# Altium PCB JlinkV9-SMTV2.PcbDoc
Units mil, origin at the board's own origin, x right, y up, seen from the top; angles counter-clockwise.
Board outline 790.71 x 1440.71 mil, 2 copper layers (Top Layer, Bottom Layer); 44 components, 65 nets, 201 pads, 75 vias.
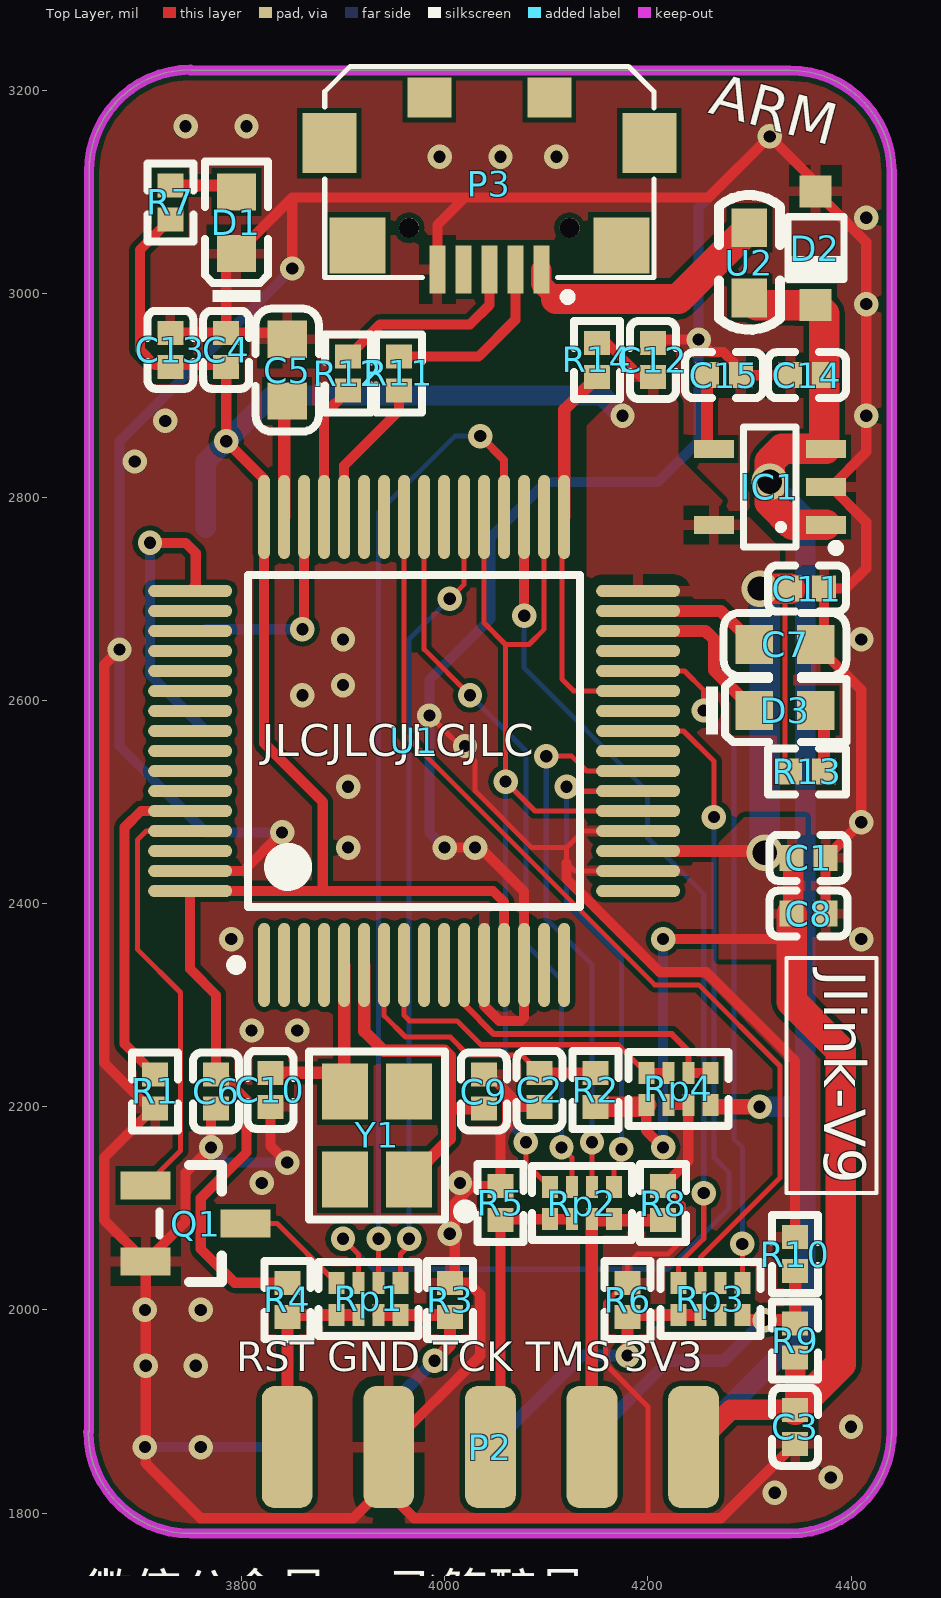
[diagram p0: Top Layer view]
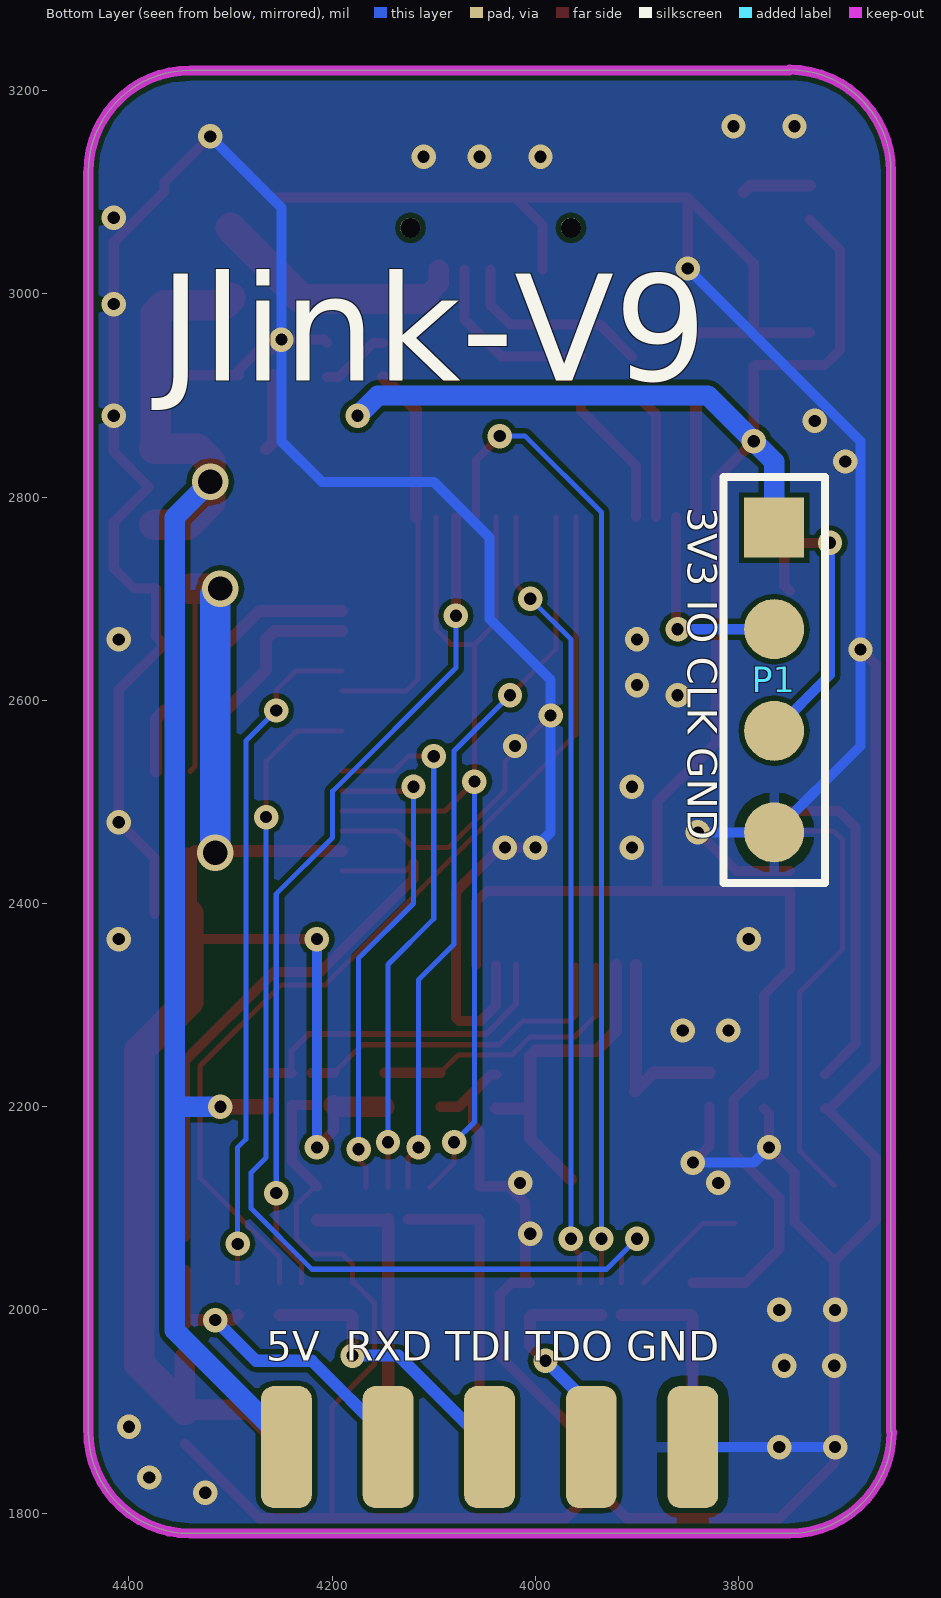
[diagram p1: Bottom Layer view, seen from below]

## Layer stack, top to bottom
Top Solder: solder mask 0.4, Solder Resist, Dk 3.5
Top Layer: signal copper 1.4
Dielectric 1: dielectric 12.6, FR-4, Dk 4.8
Bottom Layer: signal copper 1.4
Bottom Solder: solder mask 0.4, Solder Resist, Dk 3.5

## Board outline
3650,1880 3650,3120 cw(c3750,3120.71) 3750,3220.71 3750,3220 4339.29,3220 cw(c4340,3120) 4440,3120 4440,1880.71 cw(c4340,1880) 4340,1780 3750,1780 cw(c3749.29,1880)

## Design rules (kind name [scope] priority, off if disabled: settings)
Clearance [All] p1: gap=5
PolygonConnect [InPadClass('All Pads')] p1: connectstyle=Relief reliefconductorwidth=10 reliefentries=4 polygonreliefangle="90 Angle" airgapwidth=10
RoutingVias [All] p1: holewidth=12 width=24 viastyle="Through Hole" minholewidth=12 minwidth=24 maxholewidth=24 maxwidth=36
SolderMaskExpansion [All] p1: expansion=4
Width [All] p1: maxlimit=100 minlimit=5 preferedwidth=8
30 further rules are at their usual default settings.

## Components (designator, comment, footprint, x,y, rotation, side; value= is the part's Value field where it differs from the comment)
C1 "100nF (104) 10% 16V" 0402_C 4358.27,2445 r0 top
C2 "100nF (104) 10% 16V" 0402_C 4093.5,2216.69 r90 top
C3 "100nF (104) 10% 16V" 0402_C 4345,1885 r90 top
C4 "100nF (104) 10% 16V" 0402_C 3785,2945 r90 top
C5 "2.2uF (225) 10% 16V" 0603_C#1 3845,2925 r90 top
C6 "100nF (104) 10% 16V" 0402_C 3775,2215 r90 top
C7 "2.2uF (225) 10% 16V" 0603_C#1 4335,2655 r180 top
C8 "100nF (104) 10% 16V" 0402_C 4358.27,2390 r180 top
C9 "20pF (200) 5% 50V" 0402_C 4038.5,2214.96 r270 top
C10 "20pF (200) 5% 50V" 0402_C 3828.5,2216.69 r90 top
C11 "100nF (104) 10% 16V" 0402_C 4356.73,2710 r180 top
C12 "100nF (104) 10% 16V" 0402_C 4205,2935 r270 top
C13 "100nF (104) 10% 16V" 0402_C 3730,2945 r270 top
C14 "10uF (106) 20% 6.3V" 0402_C 4356.73,2920 r0 top
C15 "103" 0402_C 4275,2920 r180 top
D1 "红灯 0603" 0603_LED_S1 3795,3070 r90 top
D2 "1N5819" SOD-323 4365,3045 r90 top
D3 "蓝灯 0603" 0603_LED_S1 4335,2590 r0 top
IC1 "XC6204B332MR" SOT23-5L 4320,2810 r90 top
P1 "Header 4" HDR1X4_SMD 3765,2770 r90 bottom
P2 "Header 5X2" HDR2X5_2.54_180H 4245,1865 r270 top
P3 "USB-5P" MICRO_USB 4044,3024 r180 top
Q1 "SS8050 Y1" SOT-23(SOT-23-3) 3755,2085 r180 top
R1 "10KΩ (1002) ±1%" 0402_R 3715,2215 r270 top
R2 "10KΩ (1002) ±1%" 0402_R 4148.5,2216.69 r270 top
R3 "220KΩ (2203) ±1%" 0402_R 4005.31,2010 r270 top
R4 "10KΩ (1002) ±1%" 0402_R 3845.31,2010 r270 top
R5 "10KΩ (1002) ±1%" 0402_R 4055,2105 r270 top
R6 "10KΩ (1002) ±1%" 0402_R 4180,2010 r270 top
R7 "1KΩ (1001) ±1%" 0402_R 3730,3090 r270 top
R8 "10KΩ (1002) ±1%" 0402_R 4215,2105 r90 top
R9 "10KΩ (1002) ±1%" 0402_R 4345,1970 r90 top
R10 "10KΩ (1002) ±1%" 0402_R 4345,2055 r90 top
R11 "22Ω (22R0) ±1%" 0402_R 3955,2921.73 r270 top
R12 "22Ω (22R0) ±1%" 0402_R 3905,2921.73 r270 top
R13 "220Ω (2200) ±1%" 0402_R 4356.73,2530 r180 top
R14 "10KΩ (1002) ±1%" 0402_R 4150,2935 r270 top
Rp1 "33Ω (330) ±5%" 0402_Rx4 3925.16,2010.75 r180 top
Rp2 "33Ω (330) ±5%" 0402_Rx4 4135,2105 r180 top
Rp3 "33Ω (330) ±5%" 0402_Rx4 4261.5,2010.75 r0 top
Rp4 "10KΩ (103) ±5%" 0402_Rx4 4230,2217.44 r0 top
U1 "STM32F205RET6" STM-LQFP64_M 3970,2560 r90 top
U2 "FUSE" 0603_C#2 4300,2996 r90 top
Y1 "12MHZ 20PF 10PPM" SMD-3225_4P 3933.5,2171.69 r90 top

## Footprints (in the part's own frame and the unit in brackets; to place one, negate y for a bottom-side part, rotate by r counter-clockwise, add the part's x,y. Pads: shape width x height; smd on the part's side, far side on the other; paste and mask are expansions set on the pad)
0402_C [mm]
  rect 0.6x0.65 smd mask+0.051: 1(-0.425,0) 2(0.425,0)
  silkscreen extent -0.97,-0.58 0.97,0.58, body extent -0.48,-0.3 0.52,0.3, height 0.2
0402_R [mm]
  rect 0.6x0.65 smd mask+0.051: 1(-0.425,0) 2(0.425,0)
  silkscreen extent -0.97,-0.58 0.97,0.58, body extent -0.57,-0.27 0.58,0.28, height 0.41
0402_Rx4 [mm]
  rect 0.4x0.55 smd mask+0.051: 1(-0.8,-0.4) 4(0.8,-0.4) 5(0.8,0.4) 8(-0.8,0.4)
  rect 0.3x0.55 smd mask+0.051: 2(-0.25,-0.4) 3(0.25,-0.4) 6(0.25,0.4) 7(-0.25,0.4)
  silkscreen extent -1.25,-0.93 1.25,0.92, body extent -1,-0.5 1,0.5, height 0.45
0603_C#1 [mm]
  rect 0.93x0.98 smd: 1(-0.77,0) 2(0.77,0)
  silkscreen extent -1.53,-0.79 1.54,0.79, body extent -0.8,-0.4 0.8,0.4, height 0.3
0603_C#2 [mm]
  rect 0.965x0.889 smd: 1(0,0) 2(1.753,0)
  silkscreen extent -0.79,-0.76 2.57,0.76, body extent 0.1,-0.4 1.7,0.4, height 0.3
0603_LED_S1 [mm]
  rect 0.93x0.98 smd: A(0.77,0) K(-0.77,0)
  silkscreen extent -1.98,-0.79 1.54,0.79, body extent -0.8,-0.4 0.8,0.4, height 0.6
HDR1X4_SMD [mm]
  rect 1.5x1.5 smd: 1(0,0)
  round 1.5 smd: 2(-2.54,0) 3(-5.08,0) 4(-7.62,0)
  silkscreen extent -8.89,-1.27 1.27,1.27
HDR2X5_2.54_180H [mil]
  rrect50% 120x50 smd: 1(0,0) 3(0,-100) 5(0,-200) 7(0,-300) 9(0,-400)
  rrect50% 120x50 smd far side: 2(0,0) 4(0,-100) 6(0,-200) 8(0,-300) 10(0,-400)
  body extent -68,-450 385,50, height 100
MICRO_USB [mm]
  rect 1.35x1.5 smd: 0(-4,-3.16) 0(4,-3.16)
  rect 1.4x1.4 smd: 0(-3.3,-0.6) 0(3.3,-0.6)
  round 0.5 hole 0.5 paste+0 mask+0: 0(-2.007,-1.041) 0(2.007,-1.041)
  rect 1.1x1 smd: 0(-1.5,-4.3) 0(1.5,-4.3)
  rect 0.4x1.2 smd: 1(-1.3,0) 2(-0.65,0) 3(0,0) 4(0.65,0) 5(1.3,0)
  silkscreen extent -4.11,-5.08 4.11,0.79, body extent -3.9,-4.72 3.9,0.28, height 2.83
SMD-3225_4P [mm]
  rect 1.4x1.15 smd: 1(-1.1,-0.8) 2(1.1,-0.8) 3(1.1,0.8) 4(-1.1,0.8)
  silkscreen extent -2.1,-2.35 2.1,1.7, body extent -1.6,-1.25 1.6,1.25, height 0.61
SOD-323 [mm]
  rect 0.8x0.8 smd: 1(1.422,0) 2(-1.422,0)
  silkscreen extent -0.79,-0.74 0.79,0.69, body extent -1.35,-0.62 1.35,0.63, height 1.1
SOT23-5L [mm]
  rect 0.45x1 smd: 1(-0.95,-1.4) 2(0,-1.4) 3(0.95,-1.4) 4(0.95,1.4) 5(-0.95,1.4)
  silkscreen extent -1.6,-1.73 1.5,0.66, body extent -1.5,-1.4 1.5,1.4, height 1.15
SOT-23(SOT-23-3) [mm]
  rect 1.25x0.7 smd: 1(1.25,-0.95) 2(1.25,0.95) 3(-1.25,0)
  silkscreen extent -0.65,-1.46 0.9,1.46, body extent -1.5,-1.5 1.5,1.5, height 1.3
STM-LQFP64_M [mm]
  oval 2.1x0.3 smd: 1(-5.6,3.75) 2(-5.6,3.25) 3(-5.6,2.75) 4(-5.6,2.25) 5(-5.6,1.75) 6(-5.6,1.25) 7(-5.6,0.75) 8(-5.6,0.25) 9(-5.6,-0.25) 10(-5.6,-0.75) 11(-5.6,-1.25) 12(-5.6,-1.75) 13(-5.6,-2.25) 14(-5.6,-2.75) 15(-5.6,-3.25) 16(-5.6,-3.75) 33(5.6,-3.75) 34(5.6,-3.25) 35(5.6,-2.75) 36(5.6,-2.25) 37(5.6,-1.75) 38(5.6,-1.25) 39(5.6,-0.75) 40(5.6,-0.25) 41(5.6,0.25) 42(5.6,0.75) 43(5.6,1.25) 44(5.6,1.75) 45(5.6,2.25) 46(5.6,2.75) 47(5.6,3.25) 48(5.6,3.75)
  oval 0.3x2.1 smd: 17(-3.75,-5.6) 18(-3.25,-5.6) 19(-2.75,-5.6) 20(-2.25,-5.6) 21(-1.75,-5.6) 22(-1.25,-5.6) 23(-0.75,-5.6) 24(-0.25,-5.6) 25(0.25,-5.6) 26(0.75,-5.6) 27(1.25,-5.6) 28(1.75,-5.6) 29(2.25,-5.6) 30(2.75,-5.6) 31(3.25,-5.6) 32(3.75,-5.6) 49(3.75,5.6) 50(3.25,5.6) 51(2.75,5.6) 52(2.25,5.6) 53(1.75,5.6) 54(1.25,5.6) 55(0.75,5.6) 56(0.25,5.6) 57(-0.25,5.6) 58(-0.75,5.6) 59(-1.25,5.6) 60(-1.75,5.6) 61(-2.25,5.6) 62(-2.75,5.6) 63(-3.25,5.6) 64(-3.75,5.6)
  silkscreen extent -5.72,-4.15 4.15,4.57, body extent -5,-5 5,5, height 1.6

## Part data
C1 C2 C3 C4 C6 C8 C11 C12 C13: library part "0402 100nF (104) 10% 16V", "贴片电容"
C5 C7: library part "0603 2.2uF (225) 10% 16V", "贴片电容"
C9 C10: library part "0402 20pF (200) 5% 50V", "贴片电容"
C14: library part "0402 10uF (106) 20% 6.3V", "贴片电容"
C15: library part "0402 10nF (103) 10% 50V", "贴片电容"
D1: library part "0603 红灯", "发光二极管"
D2: library part D
D3: library part "0603 蓝灯", "发光二极管"
IC1: library part "LDO XC6204", "LDO"
P1: "Header, 4-Pin"
P2: "Header, 5-Pin, Dual row"
P3: "微型USB母座"
Q1: library part "SOT-23 SS8050 Y1", "三极管"
R1 R2 R4 R5 R6 R8 R9 R10 R14: library part "0402 10KΩ (1002) 1%", "贴片电阻"
R3: library part "0402 220KΩ (2203) 1%", "贴片电阻"
R7: library part "0402 1KΩ (1001) 1%", "贴片电阻"
R11 R12: library part "0402 22Ω (22R0) 1%", "贴片电阻"
R13: library part "0402 220Ω (2200) 1%", "贴片电阻"
Rp1 Rp2 Rp3: library part "0402*4 33Ω (330) 5%", "贴片排阻"
Rp4: library part "0402*4 10KΩ (103) 5%", "贴片排阻"
U1: library part STM32F103RET6
Y1: library part "SMD-3225_4P  12MHZ 20PF 10PPM", "贴片晶振"

## Via types
v1: diameter 24, hole 12, Top Layer to Bottom Layer, 72 vias
v2: diameter 36, hole 24, Top Layer to Bottom Layer, 3 vias

## Nets (pads, with @x,y where several pads share a name; then routed paths per layer and width w, separated by ;. In a path a pad name is that pad's centre, name@x,y a point inside that pad or via, vN(x,y) a via of type N, cw(c..) or ccw(c..) an arc to the next point about the centre after c; other vN are vias at no path point)
3V3: C1.1 C3.2 C4.1 C6.2 C8.2 C11.2 C12.2 C13.2 IC1.5 P1.1 P2.1 R2.2 R4.1 R7.2 R9.1 R13.2 R14.1 Rp4.1 U1.13 U1.19 U1.32 U1.48 U1.64 | length 4031.2
  Top Layer w5: R13.2 4335,2535 4335,2705 C11.2
  Top Layer w10: R7.2 3700,3043.27 3700,2945 3715,2930 3783.27,2930 C4.1 v1(3785,2855) 3822.36,2817.64 U1.48 3822.36,2557.64 3880,2500 3880,2412.36 ; R4.1 3793.27,2026.73 3760,2060 3760,2110 3805,2155 3805,2207.02 3780.28,2231.73 C6.2 3775,2310 3749.53,2335.47 U1.64 3880,2412.36 ; U1.13 4058.58,2401.42 4047.64,2412.36 3880,2412.36 ; R14.1 4159.84,2951.73 4193.3,2918.27 C12.2 ; Rp4.1 4198.5,2176.5 v1(4215,2160) ; v1(4215,2365) 4336.54,2365 4341.54,2360
  Top Layer w12: U1.19 v2@4315,2451.73 ; C1.1@4334.8,2451.73 C1.1
  Top Layer w20: R2.2 4196.77,2199.96 Rp4.1 ; P2.1 4281.73,1901.73 C3.2 R9.1 ; C8.2 4343.27,2391.73 C1.1@4343.27,2445
  Top Layer w30: v2(4310,2710) C11.2 ; C8.2 4341.54,2360 4341.54,2303.46 4390,2255 4390,1946.73 C3.2
  Bottom Layer w10: v1(4215,2160) v1(4215,2365)
  Bottom Layer w20: P1.1 3765,2835 v1(3785,2855) 3830,2900 4155,2900 v1(4175,2880)
  Bottom Layer w30: v2(4310,2710) 4315,2705 v2(4315,2450)
BOOT0: R1.1 U1.60 | length 326.9
  Top Layer w10: R1.1 3685,2261.73 3685,2475 3701.1,2491.1 U1.60
GND: C1.2 C2.1 C3.1 C4.2 C5.2 C6.1 C7.1 C8.1 C9.1 C10.1 C11.1 C12.1 C13.1 C14.1 C15.1 D1.K D2.1 IC1.2 P1.4 P2.7 P2.10 P3.5 Q1.2 R1.2 R3.1 R5.1 R6.1 R8.2 R10.2 Rp4.2 Rp4.3 U1.12 U1.14 U1.18 U1.20 U1.63 | length 8019
  Top Layer w5: v1(3985,2585) 4030,2540 4030,2510.86 4085.86,2455 4120,2455 ; U1.18 4127.95,2432.05 4120,2440 4120,2455 ; U1.20 4136.42,2471.42 4120,2455 ; 4200,1795 4200,1905 4158.34,1946.66 4158.34,2006.82 4178.25,2026.73 R6.1 4180,2045 4190,2055 4220,2055 4235.3,2070.3 4235.3,2103.19 4216.75,2121.73 R8.2
  Top Layer w10: v1(3680,2650) 3665,2635 3665,2242.98 3709.72,2198.27 R1.2@3713.27,2198.27 ; R1.2 R1.2@3713.27,2198.27 ; C13.1 3838.58,2961.73 C5.2 ; U1.63 3802.05,2432.05 v1(3840,2470) ; C6.1 3770,2193.27 v1(3770,2160) 3745,2135 3745,2086.81 Q1.2 ; C4.2 3785,3029.68 D1.K 3850,3094.69 ; C10.1 3828.5,2161.5 v1(3845,2145) ; v1(3850,3025) 3850,3094.69 ; P3.5 3992.82,3067.82 4020,3095 ; v1(4000,2455) v1(4030,2455) 4035,2455 4078.27,2411.73 U1.14 4078.27,2287.77 4075,2284.5 4053.88,2284.5 4038.9,2299.49 U1.12 ; C9.1 4043.79,2231.69 4061.3,2214.18 ; C2.1 4075.52,2199.96 4061.3,2214.18 ; 4120,2440 4120,2424.4 4211.9,2332.5 4257.5,2332.5 4345,2245 R10.2 ; C12.1 4208.27,2955 v1(4250,2955) 4262.2,2942.8 4274.22,2942.8 4291.73,2925.28 C15.1 C14.1 ; R8.2 4239.84,2146.57 Rp4.3 Rp4.2 ; C3.1 4271.73,1795 4200,1795 3970,1795 3945,1820 P2.7@3945,1830 ; C8.1 C1.2 v1(4410,2480) 4410,2610.32 C7.1 4373.46,2663.15 C11.1 4395,2710 4415,2730 4415,2775.4 4380.4,2810 4415,2844.6 v1(4415,2880) v1(4415,2990) 4415,3051 D2.1 4365,3110 v1(4320,3155) 4260,3095 4020,3095 ; Q1.2 v1(3705.79,1945) 3705.79,1849.21 3760,1795 3910,1795 P2.7@3945,1830 ; Q1.2 3665,2088.39 3665,2150 R1.2@3713.27,2198.27 ; 3850,3094.69 3850.31,3095 4020,3095 ; P2.7@3945,1830 P2.7 4035,1955 4035,2015 4023.27,2026.73 R3.1 4010,2031.42 4010,2105 4026.73,2121.73 R5.1 4055,2175.98 4061.3,2182.28 4061.3,2214.18
  Bottom Layer w10: v1(3705,1865) v1(3760,1865) P2.10 ; v1(3770,2160) 3785,2145 v1(3845,2145) ; v1(3840,2470) P1.4 3680,2555 v1(3680,2650) 3680,2855 v1(3850,3025) ; v1(4000,2455) 3985,2470 v1(3985,2585) 3985,2620 4045,2680 4045,2760 4100,2815 4210,2815 4250,2855 v1(4250,2955) 4250,3085 v1(4320,3155)
  other v1: 4325,1820 4380,1835 4400,1885 3755,1945 3705,2000 3760,2000 4005,2075 3820,2125 4015,2125 3810,2275 3855,2275 3790,2365 4410,2365 3905,2455 3905,2515 4020,2555 3860,2605 3900,2615 3900,2660 4410,2660 3695,2835 3725,2875 4415,3075 3995,3135 4055,3135 4110,3135 3745,3165 3805,3165
NetC5_1: C5.1 U1.47 | length 115.4
  Top Layer w12: U1.47 3842.05,2891.73 C5.1
NetC7_2: C7.2 U1.31 | length 127.9
  Top Layer w12: U1.31 4271.73,2687.95 C7.2
NetC15_2: C15.2 IC1.4 | length 75.3
  Top Layer w12: C15.2 4258.27,2854.02 IC1.4
NetD1_A: D1.A R7.1 | length 67.7
  Top Layer w12: R7.1 3788.58,3106.73 D1.A
NetD3_A: D3.A R13.1 | length 63.4
  Top Layer w12: D3.A 4373.46,2581.85 R13.1
NetP3_1: P3.1 U2.2 | length 254.1
  Top Layer w20: P3.1 4095.18,3009.82 4110,2995
  Top Layer w30: 4110,2995 4230,2995 U2.2
NetP3_2: P3.2 R11.1 | length 179
  Top Layer w10: R11.1 4033.46,2938.46 4069.59,2974.59 P3.2
NetP3_3: P3.3 R12.1 | length 194.9
  Top Layer w10: R12.1 3936.54,2970 4025,2970 4044,2989 P3.3
NetQ1_3: Q1.3 Rp1.4 | length 113.7
  Top Layer w5: Q1.3 3835.16,2085 Rp1.4
NRST: C2.2 R2.1 U1.7 | length 281.3
  Top Layer w5: U1.7 3940.47,2289.53 3961.5,2268.5 4005.59,2268.5 4023.09,2251 4075.93,2251 C2.2
  Top Layer w10: C2.2 R2.1
OSC_IN: C10.2 U1.5 Y1.3 | length 204.8
  Top Layer w12: C10.2 3883.58,2233.43 Y1.3@3901.1,2215.91 ; U1.5 Y1.3@3901.1,2215.91 ; Y1.3 Y1.3@3901.1,2215.91
OSC_OUT: C9.2 U1.6 Y1.1 | length 332.6
  Top Layer w12: U1.6 3920.79,2274.21 3940,2255 4000,2255 4005,2250 4005,2195 ; Y1.1 4005,2168.39 4005,2195 ; C9.2 4008.23,2198.23 4005,2195
PA1: U1.15
PA2: U1.16
PA3: U1.17
PA5: Rp2.4 U1.21 U1.34 U1.37 | length 992.9
  Top Layer w5: U1.37 4038.9,2676.1 4060,2655 ; v1@4066.57,2515 v1@4060,2521.57 ; v1(4080,2165) 4080,2144.25 Rp2.4 ; U1.34 4097.95,2670 4082.95,2655 4060,2655 ; U1.21 4088.9,2491.1 v1(4060,2520) v1@4060,2521.57 ; v1@4060,2521.57 4060,2655
  Bottom Layer w5: v1(4060,2520) 4060,2185 v1(4080,2165)
PA6: Rp2.1 U1.22 | length 502.7
  Top Layer w5: v1(4120,2515) 4120,2522.42 4131.92,2510.5 4190.19,2510.5 U1.22 ; Rp2.1 4166.5,2140 4174,2147.5 v1(4174,2158.1)
  Bottom Layer w5: v1(4120,2515) 4120,2400 4174,2346 v1(4174,2158.1)
PA7: Rp2.2 U1.23 | length 539.4
  Top Layer w5: v1(4100,2545) 4125,2545 4139.53,2530.47 U1.23 ; Rp2.2 4145,2120.91 v1(4145,2165)
  Bottom Layer w5: v1(4100,2545) 4100,2385 4145,2340 v1(4145,2165)
PA8: Rp3.7 U1.41 | length 965
  Top Layer w5: U1.41 3960.16,2566.56 4206.72,2320 4250,2320 4330,2240 4330,2130 4251.65,2051.65 Rp3.7
PA9: U1.42
PA10: U1.43
PA13: P1.2 U1.46 | length 206.2
  Top Layer w10: v1(3860,2670) 3861.73,2671.73 U1.46
  Bottom Layer w10: P1.2 v1(3860,2670)
PA14: P1.3 U1.49 | length 296.6
  Top Layer w10: v1(3710,2755) 3745,2755 3755,2745 3755,2713.11 U1.49
  Bottom Layer w10: v1(3710,2755) 3710,2625 P1.3
PA15: U1.50
PB0: U1.26
PB1: R14.2 U1.27 U1.33 | length 391.5
  Top Layer w5: U1.33 4115.5,2778.33 4115.5,2620.82 4127.11,2609.21 U1.27
  Top Layer w12: U1.33 4117.64,2885.91 R14.2
PB2: Rp3.5 U1.28 | length 671.6
  Top Layer w5: U1.28 4236.1,2628.9 4255,2610 v1(4255,2590) ; Rp3.5 v1(4292.99,2065)
  Bottom Layer w5: v1(4255,2590) 4285,2560 4285,2167.99 4292.99,2160 v1(4292.99,2065)
PB3: U1.55
PB4: U1.56
PB5: U1.57
PB6: U1.58
PB7: U1.59
PB8: Q1.1 U1.61 | length 427.6
  Top Layer w5: Q1.1 3740,2156.61 3740,2312.5 3697.5,2355 3697.5,2462.5 3706.42,2471.42 U1.61
PB9: U1.62
PB10: U1.29
PB11: D3.K U1.30 | length 164.4
  Top Layer w12: U1.30 4256.73,2668.27 4265,2660 4265,2629.69 D3.K
PB14: Rp3.8 U1.35 | length 837.5
  Top Layer w5: Rp3.8 4230,2045 4255,2070 v1(4255,2115)
  Top Layer w10: v1(4078.27,2683.27) U1.35
  Bottom Layer w5: v1(4078.27,2683.27) 4078.27,2631.73 4199.5,2510.5 4199.5,2465 4255,2409.5 v1(4255,2115)
PB15: Rp1.2 U1.36 | length 978.9
  Top Layer w5: Rp1.2 v1(3935,2070)
  Top Layer w8: v1(4035,2860) 4058.58,2836.42 U1.36
  Bottom Layer w5: v1(3935,2070) 3935,2785 4010,2860 v1(4035,2860)
PC0: Rp4.7 Rp4.8 U1.8 | length 333.3
  Top Layer w5: U1.8 3960,2339.37 3960,2290 3965.5,2284.5 4012.22,2284.5 4035.72,2261 4170.69,2261 Rp4.8
  Top Layer w10: Rp4.8 Rp4.7
PC1: U1.9
PC2: U1.10
PC3: Rp4.5 Rp4.6 U1.11 | length 321.9
  Top Layer w6: U1.11 4019.21,2300.79 4048.5,2271.5 4223.5,2271.5 4239.84,2255.16 Rp4.6
  Top Layer w10: Rp4.6 Rp4.5
PC4: U1.24
PC5: Rp1.3 U1.25 | length 1001.6
  Top Layer w5: v1(3900,2070) 3915.31,2054.69 Rp1.3 ; U1.25 4235.16,2569.84 4265,2540 v1(4265,2485)
  Bottom Layer w5: v1(3900,2070) 3930,2040 4220,2040 4280,2100 4280,2135 4265,2150 4265,2484 4266,2485 v1(4265,2485)
PC7: Rp1.1 U1.38 | length 779.9
  Top Layer w5: Rp1.1 3956.65,2055 3965,2063.35 v1(3965,2070) ; v1(4005,2700) 4019.21,2714.21 U1.38
  Bottom Layer w5: v1(3965,2070) 3965,2660 v1(4005,2700)
PC8: U1.39
PC9: Rp2.3 U1.40 | length 719.9
  Top Layer w5: U1.40 3979.84,2650.16 v1(4025,2605) ; v1(4115,2160) 4125.16,2149.84 Rp2.3
  Bottom Layer w5: v1(4025,2605) 4080,2550 4080,2360 4115,2325 v1(4115,2160)
PC10: U1.51
PC11: U1.52
PC12: U1.53
PC13: U1.2
PC14: U1.3
PC15: U1.4
RST: P2.9 R4.2 Rp1.5 Rp1.6 | length 199.1
  Top Layer w12: P2.9 3845.32,1865.32 R4.2 3847.05,1995 Rp1.5 Rp1.6
RXD: P2.4 R9.2 R10.1 Rp3.4 | length 334.6
  Top Layer w12: Rp3.4 4297.99,1990 v1(4315,1990) 4341.73,1990 R9.2 R10.1
  Bottom Layer w12: P2.4 4145,1875 4220,1950 4275,1950 v1(4315,1990)
TCK: P2.5 R5.2 Rp2.5 Rp2.6 | length 298
  Top Layer w10: P2.5 4055,1875 R5.2 4055.98,2089.25 Rp2.5 Rp2.6
TDI: P2.6 R6.2 Rp3.1 Rp3.2 | length 282.9
  Top Layer w12: v1(4180,1955) R6.2 4181.73,1995 Rp3.1 Rp3.2
  Bottom Layer w12: P2.6 4135,1955 v1(4180,1955)
TDO: P2.8 R3.2 Rp1.7 Rp1.8 | length 224.3
  Top Layer w12: Rp1.7 Rp1.8 4003.58,1995 R3.2 4005.32,1965.32 v1(3990,1950)
  Bottom Layer w12: P2.8 3945,1905 v1(3990,1950)
TMS: P2.3 R8.1 Rp2.7 Rp2.8 | length 294.9
  Top Layer w12: P2.3 4144.84,1865.16 Rp2.7 4145.83,2088.27 R8.1
USBDM: R11.2 U1.44 | length 146.9
  Top Layer w10: U1.44 3901.1,2831.1 3955,2885 R11.2
USBDP: R12.2 U1.45 | length 134.3
  Top Layer w10: U1.45 3881.42,2881.42 R12.2
VCC5V: C14.2 D2.2 IC1.1 IC1.3 P2.2 Rp4.4 U2.1 | length 1482.6
  Top Layer w15: Rp4.4 4263.19,2200 v1(4310,2200)
  Top Layer w30: U2.1 4307,2989 D2.2 4373.46,2980.54 C14.2 4373.46,2849.06 IC1.3 4332.4,2847.4 4320,2835 v2(4320,2815) 4320,2795 4342.4,2772.6 IC1.1
  Bottom Layer w20: P2.2 4245,1870 4355,1980 4355,2200 ; v1(4310,2200) 4355,2200 ; v2(4320,2815) 4355,2780 4355,2200
pads on no net: P3.0 P3.4 Rp3.3 Rp3.6 U1.1 U1.54 Y1.2 Y1.4

## Polygon pours and split planes (outlines as drawn)
GND on Top Layer "Top Layer-No Net" (solid, remove dead copper, pour order 10): 3635,3235 4455,3235 4455,1765 3635,1765
3V3 on Top Layer "Top Layer-No Net" (solid, remove dead copper, pour order 8): 4270,2460 4295,2485 4310,2485 4355,2485 4355,2345 4270,2345 4270,2460
3V3 on Top Layer "Top Layer-No Net" (solid, pour order 0): 4175,2933.43 4176.57,2935 4230,2935 4230,2840 4240,2830 4275,2795 4285,2795 4315,2765 4330,2750 4330,2715 4330,2695 4325,2690 4305,2690 4285,2690 4275,2700 4260,2700 4150,2700 4140,2710 4140,2850 4140,2870 4165,2895 4170,2900 4170,2925 4170,2928.43
GND on Bottom Layer "Top Layer-No Net" (solid, remove dead copper, pour order 6): 3630,3235 4455,3235 4455,1765 3630,1765

## Keep-outs
Keep-Out Layer:
  lines w10: 3649.29,1880 ccw(c3749.29,1880) 3750,1780 4340,1780 ccw(c4340,1880) 4440,1880.71 4440,3120 ccw(c4340,3120) 4339.29,3220 3750,3220 ; 3650,1880 3650,3120 cw(c3750,3120.71) 3750,3220.71

## Silkscreen, mask and mechanical layers (free items; w line width, h text height)
Top Overlay:
  lines w4: 4336.42,2115 4336.42,2346.25 4425,2346.25 4425,2115 4336.42,2115
  text "可直接上JLC打样，选定“指定位置加客编”" at 3650,3260 h80
  text "ARM" at 4255,3165 h70 r345
  text "JLCJLCJLCJLC" at 3820,2545 h31.5
  text "Jlink-V9" at 4360.04,2334.49 h70 r270
  text "RST GND TCK TMS 3V3" at 3795,1930 h50
  text "微信公众号： 飞觞醉月" at 3645,1695 h60
  text "QQ群：923703530" at 3640,1635 h60
Bottom Overlay:
  text "Jlink-V9" at 4370,2880 h180
  text "3V3 IO CLK GND" at 3860,2790 h50 r90
  text "5V  RXD TDI TDO GND" at 4265,1940 h50